# Altium PCB SAMA5D27-SOM1-MFG-03.PcbDoc (part 6 of 6)
Units mm, origin at the board's own origin, x right, y up, seen from the top; angles counter-clockwise.
Board outline 40.03 x 38.03 mm, 6 copper layers (TOP, GND, IN2, IN3, PWR, BOTTOM), stack 1.24 mm thick; 188 components, 224 nets, 901 pads, 644 vias.
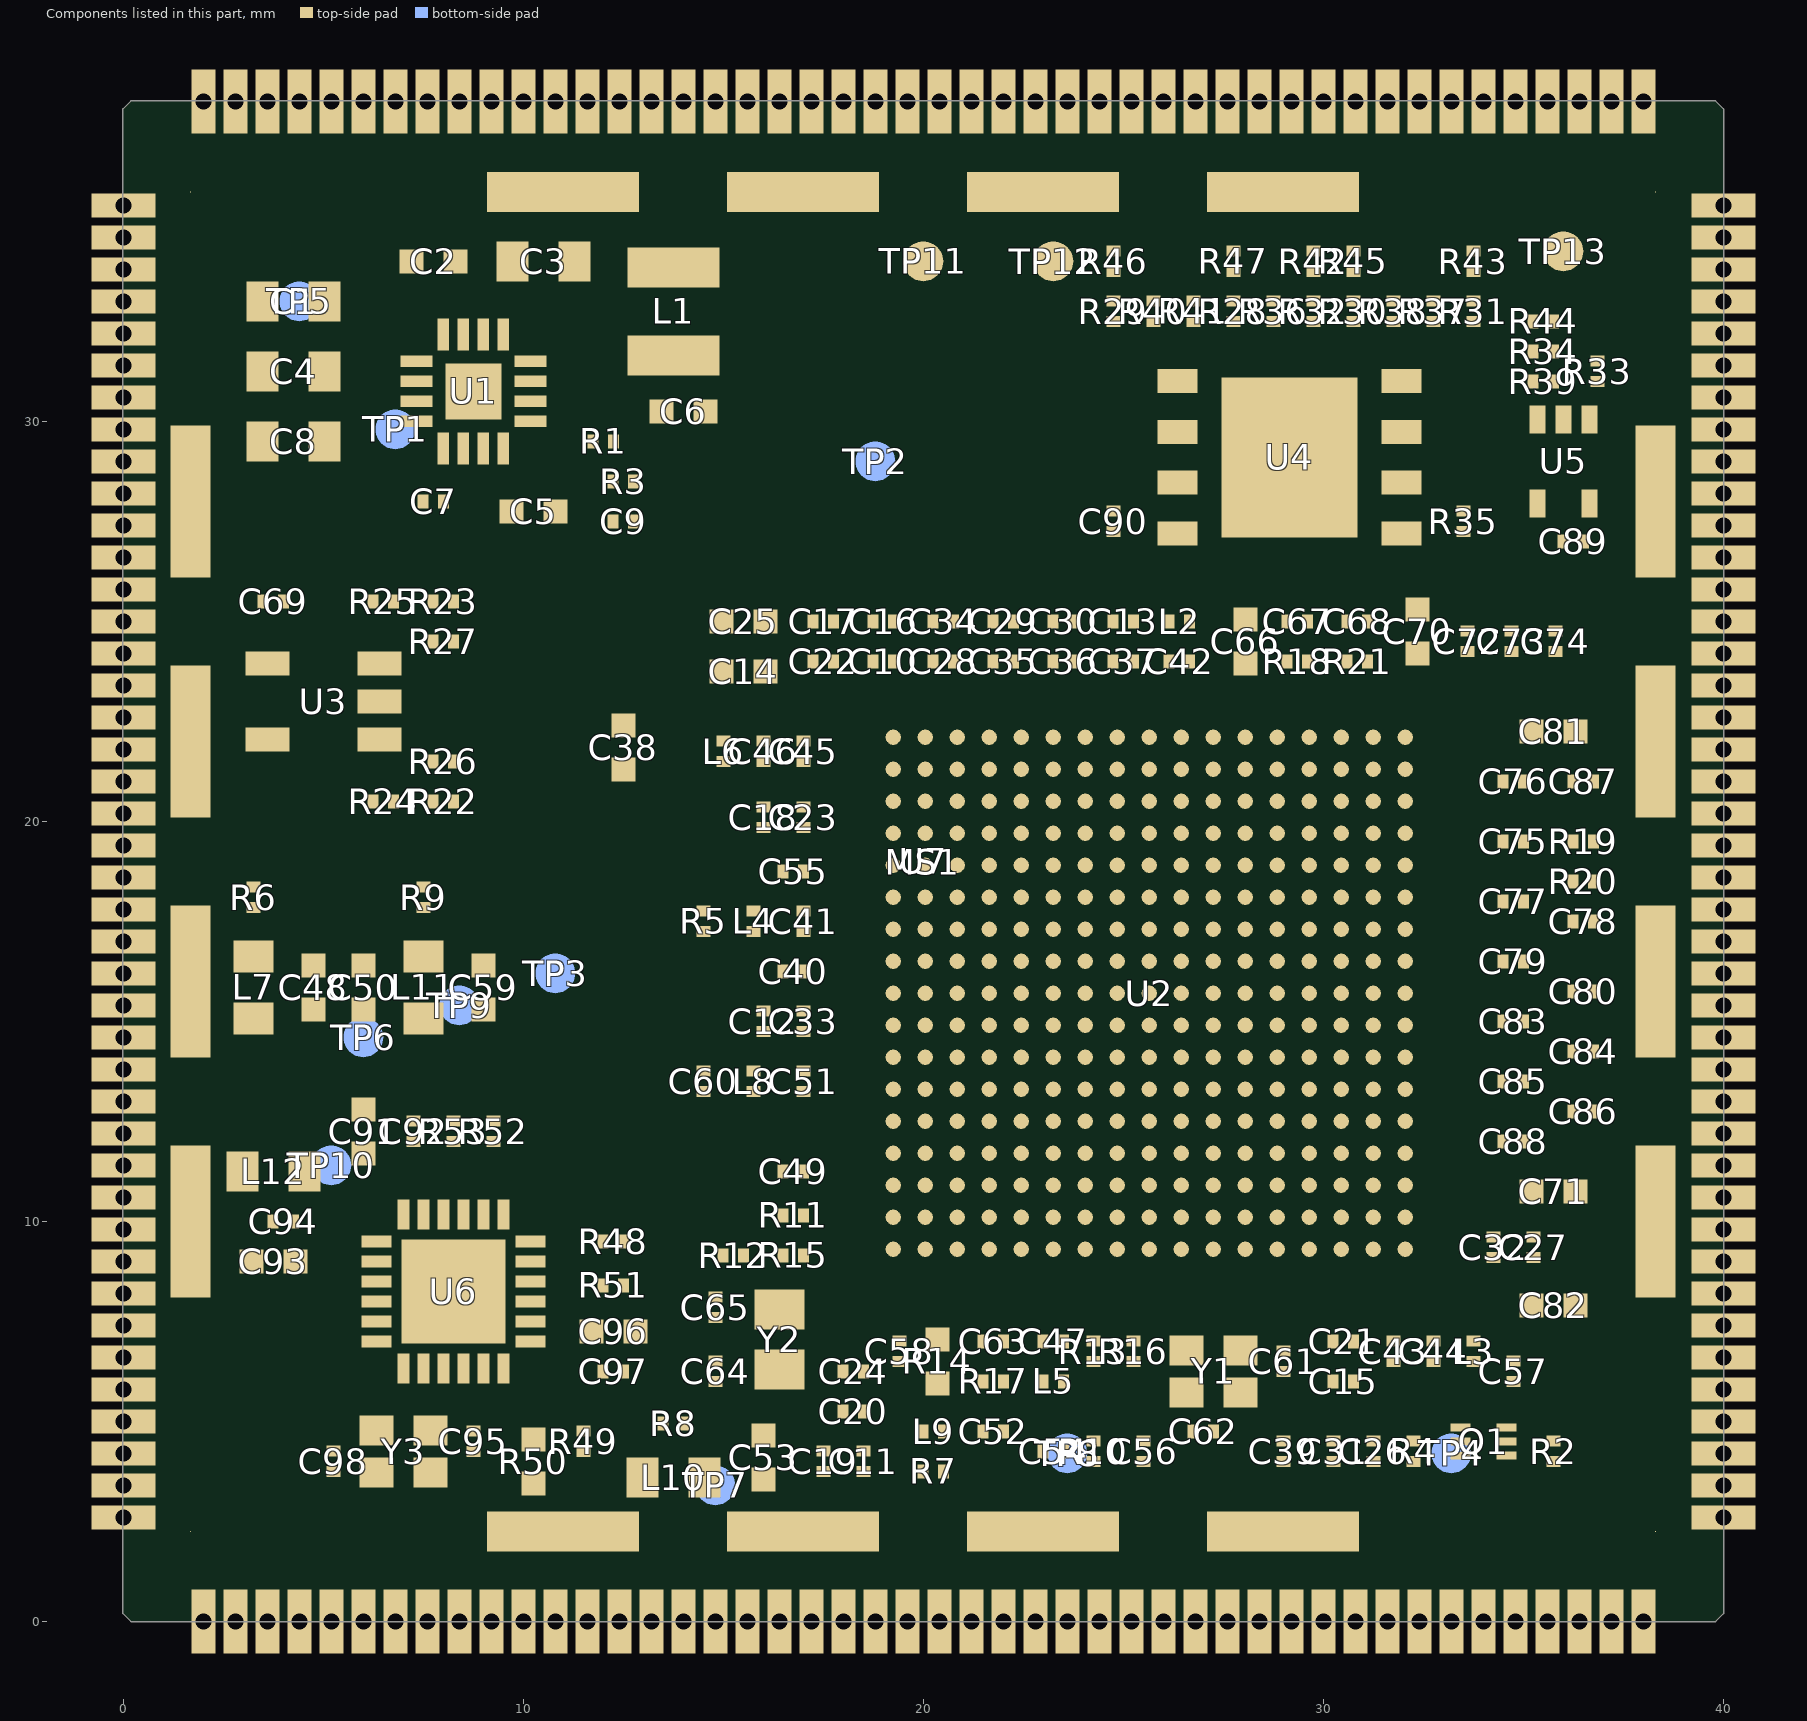
[diagram p10: the components of this part, seen from the top]

## Polygon pours and split planes (outlines as drawn) (continued)
PC18/ISI_D9/FLEXCOM3_IO2/A7 on BOTTOM "BOTTOM-PC18/ISI_D9/FLEXCOM3_IO2/A7" (solid, remove dead copper, pour order 2145): 35 vertices, not listed, extent 16.108,32.863 16.566,33.237
PC31/FLEXCOM4_IO3/URXD3/A20 on BOTTOM "BOTTOM-PC31/FLEXCOM4_IO3/URXD3/A20" (solid, remove dead copper, pour order 2125): 35 vertices, not listed, extent 27.463,22.484 27.837,22.942
PC16/ISI_D7/RK0/A5 on BOTTOM "BOTTOM-PC16/ISI_D7/RK0/A5" (solid, remove dead copper, pour order 2158): 35 vertices, not listed, extent 16.219,31.919 16.631,32.331
PC14/ISI_D5/TD0/A3 on BOTTOM "BOTTOM-PC14/ISI_D5/TD0/A3" (solid, remove dead copper, pour order 2139): 35 vertices, not listed, extent 18.808,26.363 19.266,26.737
PC25/ISI_FIELD/A14 on BOTTOM "BOTTOM-PC25/ISI_FIELD/A14" (solid, remove dead copper, pour order 2152): 35 vertices, not listed, extent 15.569,32.319 15.981,32.731
PC23/ISI_HSYNC/A12 on BOTTOM "BOTTOM-PC23/ISI_HSYNC/A12" (solid, remove dead copper, pour order 2130): 35 vertices, not listed, extent 15.458,33.263 15.916,33.637
GND on BOTTOM "BOTTOM-GND" (solid, remove dead copper, pour order 2199): 38 vertices, not listed, extent 5.415,32.915 10.717,36.2
GND on BOTTOM "BOTTOM-GND 1" (solid, remove dead copper, pour order 2218): 1219 vertices, not listed, extent 7.015,29.85 38.2,36.2
GND on BOTTOM "BOTTOM-GND 2" (solid, remove dead copper, pour order 2189): 72 vertices, not listed, extent 9.524,27.4 12.1,28.739
GND on BOTTOM "BOTTOM-GND 3" (solid, remove dead copper, pour order 2217): 1407 vertices, not listed, extent 1.8,26.215 38.2,36.2
GND on BOTTOM "BOTTOM-GND 4" (solid, remove dead copper, pour order 2195): 431 vertices, not listed, extent 20.701,21.525 23.392,24.275
GND on BOTTOM "BOTTOM-GND 5" (solid, remove dead copper, pour order 2184): 114 vertices, not listed, extent 36.424,20.15 38.2,21.185
GND on BOTTOM "BOTTOM-GND 6" (solid, remove dead copper, pour order 2210): 516 vertices, not listed, extent 29.525,19.993 38.2,24.335
GND on BOTTOM "BOTTOM-GND 7" (solid, remove dead copper, pour order 2177): 45 vertices, not listed, extent 37.236,19.415 38.2,19.985
GND on BOTTOM "BOTTOM-GND 8" (solid, remove dead copper, pour order 2204): 330 vertices, not listed, extent 27.475,19.125 29.871,24.335
GND on BOTTOM "BOTTOM-GND 9" (solid, remove dead copper, pour order 2219): 2794 vertices, not listed, extent 1.8,18.2 38.2,29.232
GND on BOTTOM "BOTTOM-GND 10" (solid, remove dead copper, pour order 2188): 162 vertices, not listed, extent 26.329,18.325 27.699,21.391
GND on BOTTOM "BOTTOM-GND 11" (solid, remove dead copper, pour order 2194): 233 vertices, not listed, extent 25.125,16.851 28.141,19.393
GND on BOTTOM "BOTTOM-GND 12" (solid, remove dead copper, pour order 2190): 93 vertices, not listed, extent 36.865,16.383 38.2,19.314
GND on BOTTOM "BOTTOM-GND 13" (solid, remove dead copper, pour order 2183): 66 vertices, not listed, extent 31.159,16.207 33.175,17.075
GND on BOTTOM "BOTTOM-GND 14" (solid, remove dead copper, pour order 2207): 475 vertices, not listed, extent 31.159,15.814 36.655,20.225
GND on BOTTOM "BOTTOM-GND 15" (solid, remove dead copper, pour order 2201): 287 vertices, not listed, extent 14.765,12.975 18.544,15.626
GND on BOTTOM "BOTTOM-GND 16" (solid, remove dead copper, pour order 2212): 1232 vertices, not listed, extent 28.265,12.725 36.485,21.185
GND on BOTTOM "BOTTOM-GND 17" (solid, remove dead copper, pour order 2182): 64 vertices, not listed, extent 13.515,12.183 14.335,14.311
GND on BOTTOM "BOTTOM-GND 18" (solid, remove dead copper, pour order 2178): 72 vertices, not listed, extent 37.065,9.697 37.535,13.124
GND on BOTTOM "BOTTOM-GND 19" (solid, remove dead copper, pour order 2216): 813 vertices, not listed, extent 1.8,7.415 17.478,23.442
GND on BOTTOM "BOTTOM-GND 20" (solid, remove dead copper, pour order 2200): 221 vertices, not listed, extent 12.715,5.383 14.885,10.821
GND on BOTTOM "BOTTOM-GND 21" (solid, remove dead copper, pour order 2211): 580 vertices, not listed, extent 33.657,5.215 38.2,13.832
GND on BOTTOM "BOTTOM-GND 22" (solid, remove dead copper, pour order 2214): 2871 vertices, not listed, extent 17.725,4.397 29.435,20.606
GND on BOTTOM "BOTTOM-GND 23" (solid, remove dead copper, pour order 2213): 627 vertices, not listed, extent 14.063,3.675 21.425,11.985
GND on BOTTOM "BOTTOM-GND 24" (solid, remove dead copper, pour order 2191): 301 vertices, not listed, extent 22.876,3.716 24.819,7.365
GND on BOTTOM "BOTTOM-GND 25" (solid, remove dead copper, pour order 2205): 523 vertices, not listed, extent 9.865,3.515 14.113,9.271
GND on BOTTOM "BOTTOM-GND 26" (solid, remove dead copper, pour order 2209): 530 vertices, not listed, extent 29.457,1.8 36.985,7.725
GND on BOTTOM "BOTTOM-GND 27" (solid, remove dead copper, pour order 2215): 232 vertices, not listed, extent 1.8,1.8 9.417,11.635
GND on BOTTOM "BOTTOM-GND 28" (solid, remove dead copper, pour order 2208): 325 vertices, not listed, extent 27.065,1.8 32.985,7.153
GND on BOTTOM "BOTTOM-GND 29" (solid, remove dead copper, pour order 2193): 86 vertices, not listed, extent 25.054,29.415 38.2,30.485
GND on BOTTOM "BOTTOM-GND 30" (solid, remove dead copper, pour order 2186): 63 vertices, not listed, extent 35.022,28.915 38.2,29.585
GND on BOTTOM "BOTTOM-GND 31" (solid, remove dead copper, pour order 2180): 65 vertices, not listed, extent 34.883,26.565 38.2,27.185
GND on BOTTOM "BOTTOM-GND 32" (solid, remove dead copper, pour order 2181): 68 vertices, not listed, extent 16.289,19.32 18.544,21.235
GND on BOTTOM "BOTTOM-GND 33" (solid, remove dead copper, pour order 2179): 77 vertices, not listed, extent 27.959,17.735 29.025,18.675
GND on BOTTOM "BOTTOM-GND 34" (solid, remove dead copper, pour order 2187): 73 vertices, not listed, extent 36.915,13.433 38.2,17.832
GND on BOTTOM "BOTTOM-GND 35" (solid, remove dead copper, pour order 2176): 112 vertices, not listed, extent 27.475,12.379 28.625,13.394
GND on BOTTOM "BOTTOM-GND 36" (solid, remove dead copper, pour order 2198): 111 vertices, not listed, extent 20.125,5.593 22.225,10.191
GND on BOTTOM "BOTTOM-GND 37" (solid, remove dead copper, pour order 2197): 180 vertices, not listed, extent 21.225,5.409 23.025,10.991
GND on BOTTOM "BOTTOM-GND 38" (solid, remove dead copper, pour order 2192): 238 vertices, not listed, extent 32.983,4.383 35.985,6.935
GND on BOTTOM "BOTTOM-GND 39" (solid, remove dead copper, pour order 2185): 35 vertices, not listed, extent 37.183,1.8 38.2,3.185
GND on BOTTOM "BOTTOM-GND 40" (solid, remove dead copper, pour order 2206): 120 vertices, not listed, extent 14.215,1.8 20.268,3.525
GND on BOTTOM "BOTTOM-GND 41" (solid, remove dead copper, pour order 2203): 128 vertices, not listed, extent 8.265,1.8 12.732,9.96
GND on BOTTOM "BOTTOM-GND 42" (solid, remove dead copper, pour order 2202): 77 vertices, not listed, extent 20.158,1.8 28.185,4.318
GND on BOTTOM "BOTTOM-GND 43" (solid, remove dead copper, pour order 2196): 68 vertices, not listed, extent 11.333,1.8 13.849,4.31
GMDIO_PD18 on BOTTOM "BOTTOM-GMDIO_PD18" (solid, remove dead copper, pour order 2135): 35 vertices, not listed, extent 12.313,5.384 12.687,5.842
GMDIO_PD18 on BOTTOM "BOTTOM-GMDIO_PD18 1" (solid, remove dead copper, pour order 2131): 35 vertices, not listed, extent 14.613,15.208 14.987,15.666
GRX1_PD14 on BOTTOM "BOTTOM-GRX1_PD14" (solid, remove dead copper, pour order 2149): 35 vertices, not listed, extent 10.144,6.244 10.556,6.656
GRX1_PD14 on BOTTOM "BOTTOM-GRX1_PD14 1" (solid, remove dead copper, pour order 2156): 35 vertices, not listed, extent 13.769,14.269 14.181,14.681
GTXEN_PD10 on BOTTOM "BOTTOM-GTXEN_PD10" (solid, remove dead copper, pour order 2124): 35 vertices, not listed, extent 9.713,11.184 10.087,11.642
GTXEN_PD10 on BOTTOM "BOTTOM-GTXEN_PD10 1" (solid, remove dead copper, pour order 2165): 35 vertices, not listed, extent 20.119,15.769 20.531,16.181
GTX0_PD15 on BOTTOM "BOTTOM-GTX0_PD15" (solid, remove dead copper, pour order 2171): 35 vertices, not listed, extent 12.619,14.819 13.031,15.231
GTX0_PD15 on BOTTOM "BOTTOM-GTX0_PD15 1" (solid, remove dead copper, pour order 2121): 35 vertices, not listed, extent 8.924,10.586 9.314,10.977
GTXCK_PD09 on BOTTOM "BOTTOM-GTXCK_PD09" (solid, remove dead copper, pour order 2127): 35 vertices, not listed, extent 10.713,8.484 11.087,8.942
GTXCK_PD09 on BOTTOM "BOTTOM-GTXCK_PD09 1" (solid, remove dead copper, pour order 2162): 35 vertices, not listed, extent 13.719,15.319 14.131,15.731
N557072 on BOTTOM "BOTTOM-N557072" (solid, remove dead copper, pour order 2168): 35 vertices, not listed, extent 23.919,5.169 24.331,5.581
N557072 on BOTTOM "BOTTOM-N557072 1" (solid, remove dead copper, pour order 2138): 35 vertices, not listed, extent 23.463,9.258 23.837,9.716
PB26/LCDDAT15/URXD0 on BOTTOM "BOTTOM-PB26/LCDDAT15/URXD0" (solid, remove dead copper, pour order 2134): 35 vertices, not listed, extent 9.134,19.163 9.592,19.537
PB26/LCDDAT15/URXD0 on BOTTOM "BOTTOM-PB26/LCDDAT15/URXD0 1" (solid, remove dead copper, pour order 2173): 35 vertices, not listed, extent 20.119,17.619 20.531,18.031
PB21/LCDDAT10/TF0/TCLK3/FLEXCOM on BOTTOM "BOTTOM-PB21/LCDDAT10/TF0/TCLK3/FLEXCOM" (solid, remove dead copper, pour order 2169): 35 vertices, not listed, extent 14.069,22.769 14.481,23.181
PB21/LCDDAT10/TF0/TCLK3/FLEXCOM on BOTTOM "BOTTOM-PB21/LCDDAT10/TF0/TCLK3/FLEXCOM 1" (solid, remove dead copper, pour order 2167): 35 vertices, not listed, extent 20.119,19.769 20.531,20.181
PA13/SDMMC0_CD/FLEXCOM3_IO1/D8 on BOTTOM "BOTTOM-PA13/SDMMC0_CD/FLEXCOM3_IO1/D8" (solid, remove dead copper, pour order 2166): 35 vertices, not listed, extent 31.569,10.969 31.981,11.381
PA12/SDMMC0_WP/IRQ/NRD/NANDOE on BOTTOM "BOTTOM-PA12/SDMMC0_WP/IRQ/NRD/NANDOE" (solid, remove dead copper, pour order 2147): 35 vertices, not listed, extent 37.084,4.813 37.542,5.187
PA11/SDMMC0_VDDSEL/TCLK4/A22/NA on BOTTOM "BOTTOM-PA11/SDMMC0_VDDSEL/TCLK4/A22/NA" (solid, remove dead copper, pour order 2153): 35 vertices, not listed, extent 30.519,10.969 30.931,11.381
PA10/SDMMC0_RSTN/TIOB4/FLEXCOM2 on BOTTOM "BOTTOM-PA10/SDMMC0_RSTN/TIOB4/FLEXCOM2" (solid, remove dead copper, pour order 2123): 35 vertices, not listed, extent 26.663,10.058 27.037,10.516
PA09/SDMMC0_DAT7/TIOA4/FLEXCOM2 on BOTTOM "BOTTOM-PA09/SDMMC0_DAT7/TIOA4/FLEXCOM2" (solid, remove dead copper, pour order 2144): 35 vertices, not listed, extent 25.534,7.363 25.992,7.737
PA08/SDMMC0_DAT6/TCLK5/FLEXCOM2 on BOTTOM "BOTTOM-PA08/SDMMC0_DAT6/TCLK5/FLEXCOM2" (solid, remove dead copper, pour order 2151): 35 vertices, not listed, extent 25.719,10.169 26.131,10.581
VDDCORE on PWR "PWR-VDDCORE" (solid, remove dead copper, pour order 2117): 5165 vertices, not listed, extent 4.75,3 32.5,28.75
VDDIN_3V3 on PWR "PWR-VDDIN_3V3" (solid, remove dead copper, pour order 2119): 2404 vertices, not listed, extent 1.1,1.1 38.9,36.9
VDDIODDR on PWR "PWR-VDDIODDR" (solid, remove dead copper, pour order 2118): 3345 vertices, not listed, extent 5,4.5 38.283,34.5
GND on GND "GND-GND" (solid, remove dead copper, pour order 1725): 1.1,1.1 1.1,36.9 38.9,36.9 38.9,1.1 1.1,1.1
no net on PERCAGE (solid, remove dead copper, pour order 2226): 99.77,-96.98 99.77,-100.14 101.298,-101.668 101.43,-101.536 101.43,-98.64 99.77,-96.98
no net on PERCAGE (solid, remove dead copper, pour order 2223): 102.57,-100.042 102.57,-102.94 104.098,-104.468 104.23,-104.336 104.23,-101.44 102.701,-99.911 102.57,-100.042
no net on PERCAGE (solid, remove dead copper, pour order 2222): 105.38,-102.832 105.38,-105.75 106.898,-107.268 107.04,-107.126 107.04,-104.25 105.501,-102.711 105.38,-102.832
no net on PERCAGE (solid, remove dead copper, pour order 2225): 99.77,-96.98 99.77,-100.14 101.298,-101.668 101.43,-101.536 101.43,-98.64 99.77,-96.98
no net on PERCAGE (solid, remove dead copper, pour order 2224): 102.57,-100.042 102.57,-102.94 104.098,-104.468 104.23,-104.336 104.23,-101.44 102.701,-99.911 102.57,-100.042
no net on PERCAGE (solid, remove dead copper, pour order 2221): 105.38,-102.832 105.38,-105.75 106.898,-107.268 107.04,-107.126 107.04,-104.25 105.501,-102.711 105.38,-102.832
no net on EMPILAGE (solid, remove dead copper, pour order 2231): 90.8,46.15 90.8,47.15 95.8,47.15 95.8,46.15 90.8,46.15
no net on EMPILAGE (solid, remove dead copper, pour order 2236): 90.8,39.15 90.8,38.15 95.8,38.15 95.8,39.15 90.8,39.15
no net on EMPILAGE (solid, remove dead copper, pour order 2228): 90.8,13.15 90.8,12.15 95.8,12.15 95.8,13.15 90.8,13.15
no net on EMPILAGE (solid, remove dead copper, pour order 2230): 90.8,35.15 90.8,36.15 95.8,36.15 95.8,35.15 90.8,35.15
no net on EMPILAGE (solid, remove dead copper, pour order 2232): 90.8,9.15 90.8,10.15 95.8,10.15 95.8,9.15 90.8,9.15
no net on EMPILAGE (solid, remove dead copper, pour order 2233): 90.8,2.15 90.8,1.15 95.8,1.15 95.8,2.15 90.8,2.15
no net on EMPILAGE (solid, remove dead copper, pour order 2234): 90.8,46.15 90.8,47.15 95.8,47.15 95.8,46.15 90.8,46.15
no net on EMPILAGE (solid, remove dead copper, pour order 2238): 90.8,39.15 90.8,38.15 95.8,38.15 95.8,39.15 90.8,39.15
no net on EMPILAGE (solid, remove dead copper, pour order 2229): 90.8,13.15 90.8,12.15 95.8,12.15 95.8,13.15 90.8,13.15
no net on EMPILAGE (solid, remove dead copper, pour order 2227): 90.8,35.15 90.8,36.15 95.8,36.15 95.8,35.15 90.8,35.15
no net on EMPILAGE (solid, remove dead copper, pour order 2235): 90.8,9.15 90.8,10.15 95.8,10.15 95.8,9.15 90.8,9.15
no net on EMPILAGE (solid, remove dead copper, pour order 2237): 90.8,2.15 90.8,1.15 95.8,1.15 95.8,2.15 90.8,2.15

## Other copper
TOP:
  region net GND: 1.175,1.75 6.895,1.75 6.895,2.75 2.175,2.75 2.175,5.89 1.175,5.89 1.175,1.75
  region net GND: 33.095,1.75 38.805,1.75 38.805,5.89 37.805,5.89 37.805,2.75 33.095,2.75 33.095,1.75
  region net GND: 6.885,36.23 1.175,36.23 1.175,32.09 2.175,32.09 2.175,35.23 6.885,35.23 6.885,36.23
  region net GND: 38.805,36.23 33.085,36.23 33.085,35.23 37.805,35.23 37.805,32.09 38.805,32.09 38.805,36.23

## Silkscreen, mask and mechanical layers (free items; w line width, h text height)
Top Overlay:
  drawing of 5662 lines, arcs and shapes, not listed
  text "U1" at 10.87,31.856 h0.79
  text "U5" at 34.014,29.25 h0.79 r90
  text "SAMA5D27-SOM1" at 15.058,26.107 h0.79
  text "U4" at 28.62,25.606 h0.79
  text "U2" at 32.62,22.25 h0.79
  text "U3" at 3.12,20.356 h0.79
  text "Y1" at 26.62,7.357 h0.79
  text "Y2" at 17.37,7.107 h0.79
  text "U6" at 4.37,6.856 h0.79
  text "Y3" at 4.12,5 h0.79
  text "Q1" at 33.17,3.006 h0.79
Top Paste:
  pour cut-out: 1.175,1.75 6.895,1.75 6.895,2.75 2.175,2.75 2.175,5.89 1.175,5.89 1.175,1.75
  pour cut-out: 33.095,1.75 38.805,1.75 38.805,5.89 37.805,5.89 37.805,2.75 33.095,2.75 33.095,1.75
  pour cut-out: 6.885,36.23 1.175,36.23 1.175,32.09 2.175,32.09 2.175,35.23 6.885,35.23 6.885,36.23
  pour cut-out: 38.805,36.23 33.085,36.23 33.085,35.23 37.805,35.23 37.805,32.09 38.805,32.09 38.805,36.23
Top Solder:
  pour cut-out: 1.125,1.7 6.945,1.7 6.945,2.8 2.225,2.8 2.225,5.94 1.125,5.94 1.125,1.7
  pour cut-out: 33.045,1.7 38.855,1.7 38.855,5.94 37.755,5.94 37.755,2.8 33.045,2.8 33.045,1.7
  pour cut-out: 6.935,36.28 1.125,36.28 1.125,32.04 2.225,32.04 2.225,35.18 6.935,35.18 6.935,36.28
  pour cut-out: 38.855,36.28 33.035,36.28 33.035,35.18 37.755,35.18 37.755,32.04 38.855,32.04 38.855,36.28
  lines w0.8: 0,0.2 0.2,0 39.8,0 40,0.2 40,37.8 39.8,38 0.2,38 0,37.8 0,0.2
Bottom Solder:
  lines w0.8: 0,0.2 0.2,0 39.8,0 40,0.2 40,37.8 39.8,38 0.2,38 0,37.8 0,0.2
NCLEGEND-1-6:
  lines w0.025: -26.55,-73.05 96.26,-73.05 ; -26.55,-66.7 96.26,-66.7 ; -26.55,-60.35 96.26,-60.35 ; -26.55,-54 96.26,-54 ; -3.72,-79.4 -3.72,-60.35 ; 44.302,-79.4 44.302,-60.35 ; 76.579,-79.4 76.579,-60.35 ; -26.55,-79.4 96.26,-79.4 96.26,-47.5 -26.55,-47.5 -26.55,-79.4 ; -15.635,-69.875 -15.385,-69.375 -14.885,-69.375 -14.635,-69.875 -14.885,-70.375 -15.385,-70.375 -15.635,-69.875 ; -15.26,-76.35 -15.26,-76.1 -15.01,-76.1 -15.01,-76.35 -15.26,-76.35
  text "DRILL CHART: TOP to BOTTOM" at 1.835,-52.262 h3.17
  text "ALL UNITS ARE IN MILLIMETERS" at -0.705,-58.763 h3.17
  text "FIGURE" at -22.755,-65.113 h3.17
  text "SIZE" at 15.211,-65.113 h3.17
  text "PLATED" at 52.82,-65.113 h3.17
  text "QTY" at 82.609,-65.113 h3.17
  text "0.2" at 16.481,-71.463 h3.17
  text "PLATED" at 52.82,-71.463 h3.17
  text "644" at 82.609,-71.463 h3.17
  text "0.4" at 16.481,-77.813 h3.17
  text "PLATED" at 52.82,-77.813 h3.17
  text "176" at 82.609,-77.813 h3.17
ASSEMBLY_NOTES:
  lines w0.025: 12.5,11.5 27.5,11.5 27.5,26.5 12.5,26.5 12.5,11.5
TOOLING_CORNERS:
  circle w0.25: c-10,-10 r2.54
  circle w0.25: c-10,-10 r3.81
  circle w0.25: c-10,48 r2.54
  circle w0.25: c-10,48 r3.81
  circle w0.25: c50,48 r2.54
  circle w0.25: c50,48 r3.81
  circle w0.25: c-10,-10 r2.54
  circle w0.25: c-10,-10 r3.81
  circle w0.25: c-10,48 r2.54
  circle w0.25: c-10,48 r3.81
  circle w0.25: c50,48 r2.54
  circle w0.25: c50,48 r3.81
  lines w0.25: -10,0 0,0 0,-10 ; -10,38 0,38 0,48 ; 40,-10 40,0 50,0 ; 40,48 40,38 50,38 ; -2.838,-43.905 43.162,-43.905 ; -2.838,-43.905 -2.838,-39.905 ; -2.838,-43.905 43.162,-43.905 ; -2.838,-43.905 -2.838,-39.905 ; -2.838,-39.905 43.162,-39.905 ; -2.838,-39.905 -2.838,-35.905 -2.838,-39.905 ; -2.838,-39.905 43.162,-39.905 ; -2.838,-39.895 -2.838,-35.895 ; -2.838,-39.895 43.162,-39.895 ; -2.838,-39.895 -2.838,-35.895 ; -2.838,-39.895 43.162,-39.895 ; -2.838,-35.895 -2.838,-31.895 ; -2.838,-35.895 43.162,-35.895 ; -2.838,-35.895 -2.838,-31.895 ; -2.838,-35.895 43.162,-35.895 ; -2.838,-31.895 43.162,-31.895 ; -2.838,-31.895 -2.838,-23.895 ; -2.838,-31.895 43.162,-31.895 ; -2.838,-31.895 -2.838,-23.895 ; -2.838,-23.895 43.162,-23.895 ; -2.838,-23.895 43.162,-23.895 ; 3.962,-26.295 4.363,-26.695 ; 3.962,-26.295 3.962,-25.495 ; 3.962,-26.295 4.363,-26.695 ; 3.962,-26.295 3.962,-25.495 ; 3.962,-25.495 4.363,-25.895 ; 3.962,-25.495 4.363,-25.895 ; 4.363,-26.695 4.363,-25.895 ; 4.363,-26.695 4.363,-25.895 ; 4.663,-27.095 5.062,-27.495 ; 4.663,-27.095 4.663,-26.295 ; 4.663,-27.095 5.062,-27.495 ; 4.663,-27.095 4.663,-26.295 ; 4.663,-26.295 5.062,-26.695 ; 4.663,-26.295 5.062,-26.695 ; 5.062,-27.495 5.062,-26.695 ; 5.062,-27.495 5.062,-26.695 ; 5.362,-27.895 5.763,-28.295 ; 5.362,-27.895 5.362,-27.095 ; 5.362,-27.895 5.763,-28.295 ; 5.362,-27.895 5.362,-27.095 ; 5.362,-27.095 5.763,-27.495 ; 5.362,-27.095 5.763,-27.495 ; 5.763,-28.295 5.763,-27.495 ; 5.763,-28.295 5.763,-27.495 ; 43.162,-43.905 43.162,-39.905 ; 43.162,-43.905 43.162,-39.905 ; 43.162,-39.905 43.162,-35.905 43.162,-39.905 ; 43.162,-39.895 43.162,-35.895 ; 43.162,-39.895 43.162,-35.895 ; 43.162,-35.895 43.162,-31.895 ; 43.162,-35.895 43.162,-31.895 ; 43.162,-31.895 43.162,-23.895 ; 43.162,-31.895 43.162,-23.895 ; -16.35,-10 -3.65,-10 -16.35,-10 ; -16.35,48 -3.65,48 -16.35,48 ; -10,-16.35 -10,-3.65 -10,-16.35 ; -10,41.65 -10,54.35 -10,41.65 ; 4.363,-26.595 5.963,-24.995 4.363,-26.595 ; 4.363,-26.395 5.963,-24.795 4.363,-26.395 ; 4.363,-26.195 5.963,-24.595 4.363,-26.195 ; 4.363,-25.995 5.963,-24.395 4.363,-25.995 ; 5.062,-27.395 6.662,-25.795 5.062,-27.395 ; 5.062,-27.195 6.662,-25.595 5.062,-27.195 ; 5.062,-26.995 6.662,-25.395 5.062,-26.995 ; 5.062,-26.795 6.662,-25.195 5.062,-26.795 ; 5.763,-28.195 7.362,-26.595 5.763,-28.195 ; 5.763,-27.995 7.362,-26.395 5.763,-27.995 ; 5.763,-27.795 7.362,-26.195 5.763,-27.795 ; 5.763,-27.595 7.362,-25.995 5.763,-27.595 ; 14.162,-31.895 14.162,-23.895 14.162,-31.895 ; 14.162,-27.895 43.162,-27.895 14.162,-27.895 ; 29.412,-43.855 29.412,-39.925 29.412,-43.855 ; 29.422,-35.885 29.422,-31.955 29.422,-35.885 ; 43.65,48 56.35,48 43.65,48 ; 50,41.65 50,54.35 50,41.65
  text "CLIENT" at 23.862,-26.895 h2
  text "CLIENT" at 23.862,-26.895 h2
  text "Date: 08/02/2018" at 19.063,-30.645 h1.5
  text "Date: 08/02/2018" at 19.063,-30.645 h1.5
  text "STUDELEC" at -0.838,-30.895 h2
  text "STUDELEC" at -0.838,-30.895 h2
  text "SAMA5D27-SOM1" at 2.882,-35.035 h2
  text "SAMA5D27-SOM1" at 2.882,-35.035 h2
  text "REV A3" at 31.472,-35.185 h2
  text "REV A3" at 31.472,-35.185 h2
PERCAGE:
  drawing of 370 lines, arcs and shapes, not listed
  text "CLASSE DE GRAVURE SUIVANT NORME NF C 93-713" at 164.6,29 h1.57
  text "CLASSE DE GRAVURE SUIVANT NORME NF C 93-713" at 164.6,29 h1.57
  text "TOLERANCES DE PERCAGE SUIVANT NORME NF C 93-713" at 164.6,24 h1.57
  text "TOLERANCES DE PERCAGE SUIVANT NORME NF C 93-713" at 164.6,24 h1.57
  text "CLASSE:" at 164.6,14 h1.57
  text "CLASSE:" at 164.6,14 h1.57
  text "HC" at 214.6,14 h1.57
  text "HC" at 214.6,14 h1.57
  text "NOMBRES DE COUCHES:" at 164.6,9 h1.57
  text "NOMBRES DE COUCHES:" at 164.6,9 h1.57
  text "6" at 214.6,9 h1.57
  text "6" at 214.6,9 h1.57
  text "MATIERE:" at 164.6,4 h1.57
  text "MATIERE:" at 164.6,4 h1.57
  text "FR4 TG 170" at 214.6,4 h1.57
  text "FR4 TG 170" at 214.6,4 h1.57
  text "FINITION NiAu CHIMIQUE" at 164.6,-6 h1.57
  text "FINITION NiAu CHIMIQUE" at 164.6,-6 h1.57
  text "OUI" at 214.51,-6 h1.57
  text "OUI" at 214.51,-6 h1.57
  text "NON" at 229.51,-6 h1.57
  text "NON" at 229.51,-6 h1.57
  text "FINITION Sn100c" at 164.6,-11 h1.57
  text "FINITION Sn100c" at 164.6,-11 h1.57
  text "OUI" at 214.51,-11 h1.57
  text "OUI" at 214.51,-11 h1.57
  text "NON" at 229.51,-11 h1.57
  text "NON" at 229.51,-11 h1.57
  text "DORURE CONNECTEUR" at 164.6,-16 h1.57
  text "DORURE CONNECTEUR" at 164.6,-16 h1.57
  text "OUI" at 214.51,-16 h1.57
  text "OUI" at 214.51,-16 h1.57
  text "NON" at 229.51,-16 h1.57
  text "NON" at 229.51,-16 h1.57
  text "NOMBRE DE DOIGTS:" at 164.6,-21 h1.57
  text "NOMBRE DE DOIGTS:" at 164.6,-21 h1.57
  text "XXu" at 214.6,-21 h1.57
  text "XXu" at 214.6,-21 h1.57
  text "REBOUCHAGE DES VIAS" at 164.6,-26 h1.57
  text "REBOUCHAGE DES VIAS" at 164.6,-26 h1.57
  text "OUI" at 214.51,-26 h1.57
  text "OUI" at 214.51,-26 h1.57
  text "NON" at 229.51,-26 h1.57
  text "NON" at 229.51,-26 h1.57
  text "CONFORME UL94V0" at 164.6,-36 h1.57
  text "CONFORME UL94V0" at 164.6,-36 h1.57
  text "OUI" at 214.51,-36 h1.57
  text "OUI" at 214.51,-36 h1.57
  text "NON" at 229.51,-36 h1.57
  text "NON" at 229.51,-36 h1.57
  text "HALOGEN FREE" at 164.6,-41 h1.57
  text "HALOGEN FREE" at 164.6,-41 h1.57
  text "OUI" at 214.51,-41 h1.57
  text "OUI" at 214.51,-41 h1.57
  text "NON" at 229.51,-41 h1.57
  text "NON" at 229.51,-41 h1.57
  text "VERNIS EPARGNE FACE ELEMENTS" at 164.6,-51 h1.57
  text "VERNIS EPARGNE FACE ELEMENTS" at 164.6,-51 h1.57
  text "OUI" at 214.51,-51 h1.57
  text "OUI" at 214.51,-51 h1.57
  text "NON" at 229.51,-51 h1.57
  text "NON" at 229.51,-51 h1.57
  text "VERT" at 244.6,-51 h1.57
  text "VERT" at 244.6,-51 h1.57
  text "VERNIS EPARGNE FACE SOUDURES" at 164.6,-56 h1.57
  text "VERNIS EPARGNE FACE SOUDURES" at 164.6,-56 h1.57
  text "OUI" at 214.51,-56 h1.57
  text "OUI" at 214.51,-56 h1.57
  text "NON" at 229.51,-56 h1.57
  text "NON" at 229.51,-56 h1.57
  text "VERT" at 244.6,-56 h1.57
  text "VERT" at 244.6,-56 h1.57
  text "SERIGRAPHIE FACE ELEMENTS" at 164.6,-66 h1.57
  text "SERIGRAPHIE FACE ELEMENTS" at 164.6,-66 h1.57
  text "OUI" at 214.51,-66 h1.57
  text "OUI" at 214.51,-66 h1.57
  text "NON" at 229.51,-66 h1.57
  text "NON" at 229.51,-66 h1.57
  text "BLANCHE" at 244.6,-66 h1.57
  text "BLANCHE" at 244.6,-66 h1.57
  text "SERIGRAPHIE FACE SOUDURES" at 164.6,-71 h1.57
  text "SERIGRAPHIE FACE SOUDURES" at 164.6,-71 h1.57
  text "OUI" at 214.51,-71 h1.57
  text "OUI" at 214.51,-71 h1.57
  text "NON" at 229.51,-71 h1.57
  text "NON" at 229.51,-71 h1.57
  text "BLANCHE" at 244.6,-71 h1.57
  text "BLANCHE" at 244.6,-71 h1.57
  text "A3" at 164.628,-96.987 h1.57
  text "08/02/18" at 170.604,-96.975 h1.57
  text "VERNISSAGE DES VIAS EN BOTTOM" at 192.369,-97.037 h1.57
  text "THR" at 249.991,-97.037 h1.57
  text "STUDELEC" at 120.69,-99.869 h3.81
  text "STUDELEC" at 120.69,-99.869 h3.81
  text "A2" at 164.801,-101.334 h1.57
  text "09/08/17" at 170.774,-101.374 h1.57
  text "MD" at 250.194,-101.534 h1.57
  text "CHANGEMENT DES VIA SOUS U1 ET U6" at 188.686,-101.554 h1.57
  text "Bureau d Etudes Industriel" at 121.551,-102.662 h1.27
  text "Bureau d Etudes Industriel" at 121.551,-102.662 h1.27
  text "Integrateur Systemes" at 125.025,-104.807 h1.27
  text "Integrateur Systemes" at 125.025,-104.807 h1.27
  text "A1" at 164.801,-105.794 h1.57
  text "10/05/17" at 170.774,-105.834 h1.57
  text "MD" at 250.194,-105.994 h1.57
  text "MISE A JOUR STACK UP" at 198.686,-106.014 h1.57
  text "19,Rue Paulin Talabot" at 119.76,-109.759 h1.57
  text "19,Rue Paulin Talabot" at 119.76,-109.759 h1.57
  text "A" at 164.801,-110.794 h1.57
  text "A" at 164.801,-110.794 h1.57
  text "01/02/17" at 170.774,-110.834 h1.57
  text "01/02/17" at 170.774,-110.834 h1.57
  text "MD" at 250.194,-110.994 h1.57
  text "MD" at 250.194,-110.994 h1.57
  text "CREATION" at 208.686,-111.014 h1.57
  text "CREATION" at 208.686,-111.014 h1.57
  text "31100 TOULOUSE" at 118.43,-114.279 h2.54
  text "31100 TOULOUSE" at 118.43,-114.279 h2.54
  text "REV" at 163.321,-114.894 h1.57
  text "REV" at 163.321,-114.894 h1.57
  text "DATE" at 173.794,-114.934 h1.57
  text "DATE" at 173.794,-114.934 h1.57
  text "VISA" at 249.354,-115.094 h1.57
  text "VISA" at 249.354,-115.094 h1.57
  text "MODIF" at 211.506,-115.174 h1.57
  text "MODIF" at 211.506,-115.174 h1.57
  text "CLIENT:" at 90.302,-120.576 h2.54
  text "CLIENT:" at 90.302,-120.576 h2.54
  text "MICROCHIP" at 120.302,-120.576 h2.54
  text "MICROCHIP" at 120.302,-120.576 h2.54
  text "PROJET:" at 90.202,-127.216 h2.54
  text "PROJET:" at 90.202,-127.216 h2.54
  text "SAMA5D27-SOM1" at 120.302,-127.216 h2.54
  text "SAMA5D27-SOM1" at 120.302,-127.216 h2.54
  text "P/N:" at 169.589,-132.696 h2.54
  text "P/N:" at 169.589,-132.696 h2.54
  text "23842-SAMA5-HW-BTS-03" at 184.589,-132.696 h2.54
  text "23842-SAMA5-HW-BTS-03" at 184.589,-132.696 h2.54
  text "DOCUMENT:" at 90.252,-133.016 h2.54
  text "DOCUMENT:" at 90.252,-133.016 h2.54
  text "PLAN DE PERCAGE" at 120.302,-133.016 h2.54
  text "PLAN DE PERCAGE" at 120.302,-133.016 h2.54
  text "FORMAT:" at 177.411,-136.594 h1.57
  text "FORMAT:" at 177.411,-136.594 h1.57
  text "ECHELLE:" at 119.04,-136.629 h1.57
  text "ECHELLE:" at 119.04,-136.629 h1.57
  text "TOLERANCES" at 143.46,-136.629 h1.57
  text "TOLERANCES" at 143.46,-136.629 h1.57
  text "1/1" at 133.1,-136.689 h1.57
  text "1/1" at 133.1,-136.689 h1.57
  text "N AFFAIRE:" at 200.369,-136.674 h1.57
  text "N AFFAIRE:" at 200.369,-136.674 h1.57
  text "PAGE:" at 226.746,-138.474 h1.57
  text "PAGE:" at 226.746,-138.474 h1.57
  text "1/1" at 241.746,-138.474 h1.57
  text "1/1" at 241.746,-138.474 h1.57
  text "A4" at 181.8,-139.489 h1.57
  text "A4" at 181.8,-139.489 h1.57
  text "23842" at 200.369,-139.489 h1.57
  text "23842" at 200.369,-139.489 h1.57
  text "GENERALES:" at 143.539,-139.732 h1.57
  text "GENERALES:" at 143.539,-139.732 h1.57
  text "0.2mm" at 164.222,-139.732 h1.57
  text "0.2mm" at 164.222,-139.732 h1.57
  text "UNITE:" at 119.119,-140.114 h1.57
  text "UNITE:" at 119.119,-140.114 h1.57
  text "mm" at 134.119,-140.114 h1.57
  text "mm" at 134.119,-140.114 h1.57
  text "CE PLAN EST LA PROPRIETE DE STUDELEC ET NE PEUT ETRE COMMUNIQUE ET/OU REPRODUIT SANS SON AUTORISATION" at 90.348,-142.994 h1.57
  text "CE PLAN EST LA PROPRIETE DE STUDELEC ET NE PEUT ETRE COMMUNIQUE ET/OU REPRODUIT SANS SON AUTORISATION" at 90.348,-142.994 h1.57
EMPILAGE:
  drawing of 194 lines, arcs and shapes, not listed
  text "EPAISSEUR (THICKNESS SUTRATE / cu): 1.2mm" at 80.8,52.65 h2
  text "EPAISSEUR (THICKNESS SUTRATE / cu): 1.2mm" at 80.8,52.65 h2
  text "cu FACE 1 (EXTERNE) 35u+30u" at 108.8,48.15 h2
  text "cu FACE 1 (EXTERNE) 35u+30u" at 108.8,48.15 h2
  text "PREG 3313 90u" at 108.8,44.15 h2
  text "PREG 3313 90u" at 108.8,44.15 h2
  text "cu FACE 2 (INTERNE) 35u" at 108.8,40.15 h2
  text "cu FACE 2 (INTERNE) 35u" at 108.8,40.15 h2
  text "CORE 180u" at 108.8,36.15 h2
  text "CORE 180u" at 108.8,36.15 h2
  text "cu FACE 3 (INTERNE) 35u" at 108.8,29.65 h2
  text "cu FACE 3 (INTERNE) 35u" at 108.8,29.65 h2
  text "PREG 2116 115u" at 108.8,26.55 h2
  text "CORE 210u" at 108.8,23.15 h2
  text "CORE 210u" at 108.8,23.15 h2
  text "PREG 2116 115u" at 108.8,19.75 h2
  text "cu FACE 4 (INTERNE) 35u" at 108.8,16.65 h2
  text "cu FACE 4 (INTERNE) 35u" at 108.8,16.65 h2
  text "CORE 180u" at 108.8,10.15 h2
  text "CORE 180u" at 108.8,10.15 h2
  text "cu FACE 5 (INTERNE) 35u" at 108.8,6.15 h2
  text "cu FACE 5 (INTERNE) 35u" at 108.8,6.15 h2
  text "PREG 3313 90u" at 108.8,2.15 h2
  text "PREG 3313 90u" at 108.8,2.15 h2
  text "cu FACE 6 (EXTERNE) 35u+30u" at 108.8,-1.85 h2
  text "cu FACE 6 (EXTERNE) 35u+30u" at 108.8,-1.85 h2
  text "NOTA 1: FABRICATION SUIVANT NORME IPC A600" at 65,-20 h2
  text "NOTA 2: UTILISER LA MATIERE SHENG YI S1000-2 TG170 OU EQUIVALENT" at 65,-25 h2
DESIGN_OUTLINE:
  pour cut-out: 0.2,0 0,0.2 0,37.8 0.2,38 39.8,38 40,37.8 40,0.2 39.8,0 0.2,0
DRAWING_ORIGIN:
  lines w0.025: -0.635,0 0.635,0 ; 0,-0.635 0,0.635
DIMENSION:
  circle w0.025: c-14.154,0.048 r0.508
  circle w0.025: c59.846,0.048 r0.508
  circle w0.025: c63.096,45.298 r0.508
  circle w0.025: c-8.904,45.298 r0.508
  circle w0.025: c-14.154,0.048 r0.508
  circle w0.025: c59.846,0.048 r0.508
  circle w0.025: c63.096,45.298 r0.508
  circle w0.025: c-8.904,45.298 r0.508
  lines w0.025: -7.975,4 -7.35,0 ; -7.975,4 -6.725,4 ; -7.975,4 -7.35,0 ; -7.975,4 -6.725,4 ; -7.975,34 -7.35,38 ; -7.975,34 -6.725,34 ; -7.975,34 -7.35,38 ; -7.975,34 -6.725,34 ; -7.35,0 -6.725,4 ; -7.35,0 -7.35,20.15 ; -7.35,0 -6.725,4 ; -7.35,0 -7.35,20.15 ; -7.35,20.15 -7.35,38 ; -7.35,20.15 -7.35,38 ; -7.35,38 -6.725,34 ; -7.35,38 -6.725,34 ; -4.25,42.25 0.101,37.901 ; -4.25,42.25 -23.128,42.25 -4.25,42.25 ; -4.25,42.25 0.101,37.901 ; -3.17,40.287 0.101,37.901 ; -3.17,40.287 -2.286,41.171 ; -3.17,40.287 0.101,37.901 ; -3.17,40.287 -2.286,41.171 ; -2.814,-2.711 0.083,0.117 ; -2.814,-2.711 -1.814,-3.46 ; -2.814,-2.711 0.083,0.117 ; -2.814,-2.711 -1.814,-3.46 ; -2.286,41.171 0.101,37.901 ; -2.286,41.171 0.101,37.901 ; -2.25,-3 0.083,0.117 ; -2.25,-3 -28.378,-3 -2.25,-3 ; -2.25,-3 0.083,0.117 ; -1.814,-3.46 0.083,0.117 ; -1.814,-3.46 0.083,0.117 ; 0,45.25 4,45.875 ; 0,45.25 4,44.625 ; 0,45.25 19.2,45.25 ; 0,45.25 4,45.875 ; 0,45.25 4,44.625 ; 0,45.25 19.2,45.25 ; 4,44.625 4,45.875 ; 4,44.625 4,45.875 ; 19.2,45.25 40,45.25 ; 19.2,45.25 40,45.25 ; 36,44.625 40,45.25 ; 36,44.625 36,45.875 ; 36,44.625 40,45.25 ; 36,44.625 36,45.875 ; 36,45.875 40,45.25 ; 36,45.875 40,45.25 ; 39.896,37.904 44.25,42.25 ; 39.896,37.904 42.285,41.172 ; 39.896,37.904 43.168,40.287 ; 39.896,37.904 44.25,42.25 ; 39.896,37.904 42.285,41.172 ; 39.896,37.904 43.168,40.287 ; 39.903,0.103 43,-3 ; 39.903,0.103 43.171,-2.287 ; 39.903,0.103 42.286,-3.17 ; 39.903,0.103 43,-3 ; 39.903,0.103 43.171,-2.287 ; 39.903,0.103 42.286,-3.17 ; 42.285,41.172 43.168,40.287 ; 42.285,41.172 43.168,40.287 ; 42.286,-3.17 43.171,-2.287 ; 42.286,-3.17 43.171,-2.287 ; 43,-3 61.878,-3 43,-3 ; 44.25,42.25 65.128,42.25 44.25,42.25 ; -9.85,0 -2.3,0 -9.85,0 ; -9.85,38 -2.3,38 -9.85,38 ; 0,40.3 0,47.75 0,40.3 ; 40,40.3 40,47.75 40,40.3
  text "40" at 17.422,46.266 h2.03
  text "40" at 17.422,46.266 h2.03
  text "0.2X45" at -21.604,43.266 h2.03
  text "0.2X45" at -21.604,43.266 h2.03
  text "0.2X45" at 50.396,43.266 h2.03
  text "0.2X45" at 50.396,43.266 h2.03
  text "38" at -8.366,18.372 h2.03 r90
  text "38" at -8.366,18.372 h2.03 r90
  text "0.2X45" at -26.854,-1.984 h2.03
  text "0.2X45" at -26.854,-1.984 h2.03
  text "0.2X45" at 47.146,-1.984 h2.03
  text "0.2X45" at 47.146,-1.984 h2.03
TEXTE_IN2:
  text "CUIVRE INTERNE C03/C06" at 2.637,-38.82 h2
  text "CUIVRE INTERNE C03/C06" at 2.637,-38.82 h2
TEXTE_IN1:
  text "CUIVRE INTERNE C02/C06" at 2.637,-38.82 h2
  text "CUIVRE INTERNE C02/C06" at 2.637,-38.82 h2
TEXTE_IN3:
  text "CUIVRE INTERNE C04/C06" at 2.637,-38.82 h2
  text "CUIVRE INTERNE C04/C06" at 2.637,-38.82 h2
TEXTE_IN4:
  text "CUIVRE INTERNE C05/C06" at 2.637,-38.82 h2
  text "CUIVRE INTERNE C05/C06" at 2.637,-38.82 h2
TEXTE_TOP:
  text "CUIVRE ELEMENTS C01/C06" at 1.837,-38.82 h2
  text "CUIVRE ELEMENTS C01/C06" at 1.837,-38.82 h2
TEXTE_BOTTOM:
  text "CUIVRE SOUDURE C06/C06" at 2.637,-38.82 h2
  text "CUIVRE SOUDURE C06/C06" at 2.637,-38.82 h2
TEXTE_SILKSCREEN_TOP:
  text "SERIGRAPHIE ELEMENTS" at 4.237,-38.82 h2
  text "SERIGRAPHIE ELEMENTS" at 4.237,-38.82 h2
TEXTE_SOLDERMASK_TOP:
  text "VERNIS ELEMENTS" at 8.237,-38.82 h2
  text "VERNIS ELEMENTS" at 8.237,-38.82 h2
TEXTE_SILKSCREEN_BOTTOM:
  text "SERIGRAPHIE SOUDURE" at 5.037,-38.82 h2
  text "SERIGRAPHIE SOUDURE" at 5.037,-38.82 h2
TEXTE_SOLDERMASK_BOTTOM:
  text "VERNIS SOUDURE" at 9.037,-38.82 h2
  text "VERNIS SOUDURE" at 9.037,-38.82 h2
TEXTE_PASTEMASK_TOP:
  text "PATE A BRASER ELEMENT" at 3.437,-38.82 h2
  text "PATE A BRASER ELEMENT" at 3.437,-38.82 h2
TEXTE_PASTEMASK_BOTTOM:
  text "PATE A BRASER SOUDURE" at 3.437,-38.82 h2
  text "PATE A BRASER SOUDURE" at 3.437,-38.82 h2

## Text inside footprints (layer, text, board x,y; h text height)
C1: PIN_NUMBER "1" at 5.395,33.127 h0.64 r180; PIN_NUMBER "2" at 2.724,33.127 h0.64 r180
C2: PIN_NUMBER "1" at 7.858,32.8 h0.64; PIN_NUMBER "2" at 8.15,32.8 h0.64
C3: PIN_NUMBER "1" at 9.355,33.873 h0.64; PIN_NUMBER "2" at 12.026,33.873 h0.64
C4: PIN_NUMBER "1" at 3.105,31.123 h0.64; PIN_NUMBER "2" at 5.776,31.123 h0.64
C5: PIN_NUMBER "1" at 10.142,28.95 h0.64 r180; PIN_NUMBER "2" at 9.85,28.95 h0.64 r180
C6: PIN_NUMBER "1" at 13.892,31.45 h0.64 r180; PIN_NUMBER "2" at 13.6,31.45 h0.64 r180
C7: PIN_NUMBER "2" at 8.3,26.9 h0.64; PIN_NUMBER "1" at 7.15,27.408 h0.64
C8: PIN_NUMBER "1" at 3.105,29.373 h0.64; PIN_NUMBER "2" at 5.776,29.373 h0.64
C9: PIN_NUMBER "2" at 11.95,28.6 h0.64 r180; PIN_NUMBER "1" at 13.1,28.092 h0.64 r180
C10: PIN_NUMBER "2" at 19.55,22.9 h0.64; PIN_NUMBER "1" at 18.4,23.408 h0.64
C11: PIN_NUMBER "2" at 19.6,4.55 h0.64 r90; PIN_NUMBER "1" at 19.092,3.4 h0.64 r90
C12: PIN_NUMBER "2" at 17.1,15.55 h0.64 r90; PIN_NUMBER "1" at 16.592,14.4 h0.64 r90
C13: PIN_NUMBER "2" at 25.55,23.9 h0.64; PIN_NUMBER "1" at 24.4,24.408 h0.64
C14: PIN_NUMBER "1" at 15.608,22.55 h0.64; PIN_NUMBER "2" at 15.9,22.55 h0.64
C15: PIN_NUMBER "2" at 29.95,7.1 h0.64 r180; PIN_NUMBER "1" at 31.1,6.592 h0.64 r180
C16: PIN_NUMBER "2" at 19.55,23.9 h0.64; PIN_NUMBER "1" at 18.4,24.408 h0.64
C17: PIN_NUMBER "2" at 18.05,23.9 h0.64; PIN_NUMBER "1" at 16.9,24.408 h0.64
C18: PIN_NUMBER "2" at 14.9,19.55 h0.64 r270; PIN_NUMBER "1" at 15.408,20.7 h0.64 r270
C19: PIN_NUMBER "2" at 18.6,4.55 h0.64 r90; PIN_NUMBER "1" at 18.092,3.4 h0.64 r90
C20: PIN_NUMBER "2" at 18.8,4.15 h0.64; PIN_NUMBER "1" at 17.65,4.658 h0.64
C21: PIN_NUMBER "2" at 29.95,8.1 h0.64 r180; PIN_NUMBER "1" at 31.1,7.592 h0.64 r180
C22: PIN_NUMBER "2" at 18.05,22.9 h0.64; PIN_NUMBER "1" at 16.9,23.408 h0.64
C23: PIN_NUMBER "2" at 15.9,19.55 h0.64 r270; PIN_NUMBER "1" at 16.408,20.7 h0.64 r270
C24: PIN_NUMBER "2" at 18.8,5.15 h0.64; PIN_NUMBER "1" at 17.65,5.658 h0.64
C25: PIN_NUMBER "1" at 15.608,23.8 h0.64; PIN_NUMBER "2" at 15.9,23.8 h0.64
C26: PIN_NUMBER "2" at 32.35,4.8 h0.64 r90; PIN_NUMBER "1" at 31.842,3.65 h0.64 r90
C27: PIN_NUMBER "2" at 36.35,9.9 h0.64 r90; PIN_NUMBER "1" at 35.842,8.75 h0.64 r90
C28: PIN_NUMBER "2" at 21.05,22.9 h0.64; PIN_NUMBER "1" at 19.9,23.408 h0.64
C29: PIN_NUMBER "2" at 22.55,23.9 h0.64; PIN_NUMBER "1" at 21.4,24.408 h0.64
C30: PIN_NUMBER "2" at 24.05,23.9 h0.64; PIN_NUMBER "1" at 22.9,24.408 h0.64
C31: PIN_NUMBER "2" at 31.35,4.8 h0.64 r90; PIN_NUMBER "1" at 30.842,3.65 h0.64 r90
C32: PIN_NUMBER "2" at 35.35,9.9 h0.64 r90; PIN_NUMBER "1" at 34.842,8.75 h0.64 r90
C33: PIN_NUMBER "2" at 18.1,15.55 h0.64 r90; PIN_NUMBER "1" at 17.592,14.4 h0.64 r90
C34: PIN_NUMBER "2" at 21.05,23.9 h0.64; PIN_NUMBER "1" at 19.9,24.408 h0.64
C35: PIN_NUMBER "2" at 22.55,22.9 h0.64; PIN_NUMBER "1" at 21.4,23.408 h0.64
C36: PIN_NUMBER "2" at 24.05,22.9 h0.64; PIN_NUMBER "1" at 22.9,23.408 h0.64
C37: PIN_NUMBER "2" at 25.55,22.9 h0.64; PIN_NUMBER "1" at 24.4,23.408 h0.64
C38: PIN_NUMBER "1" at 13.7,21.958 h0.64 r90; PIN_NUMBER "2" at 13.7,22.25 h0.64 r90
C39: PIN_NUMBER "2" at 30.1,4.8 h0.64 r90; PIN_NUMBER "1" at 29.592,3.65 h0.64 r90
C40: PIN_NUMBER "2" at 17.3,15.15 h0.64; PIN_NUMBER "1" at 16.15,15.658 h0.64
C41: PIN_NUMBER "2" at 15.9,16.95 h0.64 r270; PIN_NUMBER "1" at 16.408,18.1 h0.64 r270
C42: PIN_NUMBER "2" at 25.85,25.1 h0.64 r180; PIN_NUMBER "1" at 27,24.592 h0.64 r180
C43: PIN_NUMBER "2" at 32.85,7.3 h0.64 r90; PIN_NUMBER "1" at 32.342,6.15 h0.64 r90
C44: PIN_NUMBER "2" at 33.85,7.3 h0.64 r90; PIN_NUMBER "1" at 33.342,6.15 h0.64 r90
C45: PIN_NUMBER "2" at 15.9,21.2 h0.64 r270; PIN_NUMBER "1" at 16.408,22.35 h0.64 r270
C46: PIN_NUMBER "2" at 14.9,21.2 h0.64 r270; PIN_NUMBER "1" at 15.408,22.35 h0.64 r270
C47: PIN_NUMBER "2" at 23.8,5.9 h0.64; PIN_NUMBER "1" at 22.65,6.408 h0.64
C48: PIN_NUMBER "1" at 3.55,15.742 h0.64 r270; PIN_NUMBER "2" at 3.55,15.45 h0.64 r270
C49: PIN_NUMBER "2" at 17.3,10.15 h0.64; PIN_NUMBER "1" at 16.15,10.658 h0.64
C50: PIN_NUMBER "1" at 4.8,15.742 h0.64 r270; PIN_NUMBER "2" at 4.8,15.45 h0.64 r270
C51: PIN_NUMBER "2" at 15.9,12.95 h0.64 r270; PIN_NUMBER "1" at 16.408,14.1 h0.64 r270
C52: PIN_NUMBER "2" at 21.2,5.85 h0.64 r180; PIN_NUMBER "1" at 22.35,5.342 h0.64 r180
C53: PIN_NUMBER "1" at 14.8,3.992 h0.64 r270; PIN_NUMBER "2" at 14.8,3.7 h0.64 r270
C54: PIN_NUMBER "2" at 22.7,5.35 h0.64 r180; PIN_NUMBER "1" at 23.85,4.842 h0.64 r180
C55: PIN_NUMBER "2" at 17.3,17.65 h0.64; PIN_NUMBER "1" at 16.15,18.158 h0.64
C56: PIN_NUMBER "2" at 26.6,4.8 h0.64 r90; PIN_NUMBER "1" at 26.092,3.65 h0.64 r90
C57: PIN_NUMBER "2" at 35.85,6.8 h0.64 r90; PIN_NUMBER "1" at 35.342,5.65 h0.64 r90
C58: PIN_NUMBER "2" at 20.5,7.3 h0.64 r90; PIN_NUMBER "1" at 19.992,6.15 h0.64 r90
C59: PIN_NUMBER "1" at 7.8,15.742 h0.64 r270; PIN_NUMBER "2" at 7.8,15.45 h0.64 r270
C60: PIN_NUMBER "2" at 13.4,12.95 h0.64 r270; PIN_NUMBER "1" at 13.908,14.1 h0.64 r270
C61: PIN_NUMBER "2" at 30.1,7.05 h0.64 r90; PIN_NUMBER "1" at 29.592,5.9 h0.64 r90
C62: PIN_NUMBER "2" at 26.45,5.85 h0.64 r180; PIN_NUMBER "1" at 27.6,5.342 h0.64 r180
C63: PIN_NUMBER "2" at 22.3,5.9 h0.64; PIN_NUMBER "1" at 21.15,6.408 h0.64
C64: PIN_NUMBER "2" at 13.7,5.7 h0.64 r270; PIN_NUMBER "1" at 14.208,6.85 h0.64 r270
C65: PIN_NUMBER "2" at 15.9,8.4 h0.64 r90; PIN_NUMBER "1" at 15.392,7.25 h0.64 r90
C66: PIN_NUMBER "1" at 26.85,24.392 h0.64 r270; PIN_NUMBER "2" at 26.85,24.1 h0.64 r270
C67: PIN_NUMBER "2" at 28.8,26.1 h0.64 r180; PIN_NUMBER "1" at 29.95,25.592 h0.64 r180
C68: PIN_NUMBER "2" at 30.3,26.1 h0.64 r180; PIN_NUMBER "1" at 31.45,25.592 h0.64 r180
C69: PIN_NUMBER "2" at 3.2,26.6 h0.64 r180; PIN_NUMBER "1" at 4.35,26.092 h0.64 r180
C70: PIN_NUMBER "1" at 31.15,24.642 h0.64 r270; PIN_NUMBER "2" at 31.15,24.35 h0.64 r270
C71: PIN_NUMBER "1" at 35.642,11.95 h0.64 r180; PIN_NUMBER "2" at 35.35,11.95 h0.64 r180
C72: PIN_NUMBER "2" at 32.5,23.95 h0.64 r270; PIN_NUMBER "1" at 33.008,25.1 h0.64 r270
C73: PIN_NUMBER "2" at 33.6,23.95 h0.64 r270; PIN_NUMBER "1" at 34.108,25.1 h0.64 r270
C74: PIN_NUMBER "2" at 34.7,23.95 h0.64 r270; PIN_NUMBER "1" at 35.208,25.1 h0.64 r270
C75: PIN_NUMBER "2" at 34.2,20.6 h0.64 r180; PIN_NUMBER "1" at 35.35,20.092 h0.64 r180
C76: PIN_NUMBER "2" at 34.2,22.1 h0.64 r180; PIN_NUMBER "1" at 35.35,21.592 h0.64 r180
C77: PIN_NUMBER "2" at 34.2,19.1 h0.64 r180; PIN_NUMBER "1" at 35.35,18.592 h0.64 r180
C78: PIN_NUMBER "2" at 35.95,18.6 h0.64 r180; PIN_NUMBER "1" at 37.1,18.092 h0.64 r180
C79: PIN_NUMBER "2" at 34.2,17.6 h0.64 r180; PIN_NUMBER "1" at 35.35,17.092 h0.64 r180
C80: PIN_NUMBER "2" at 35.95,16.85 h0.64 r180; PIN_NUMBER "1" at 37.1,16.342 h0.64 r180
C81: PIN_NUMBER "1" at 35.642,23.45 h0.64 r180; PIN_NUMBER "2" at 35.35,23.45 h0.64 r180
C82: PIN_NUMBER "1" at 35.642,9.1 h0.64 r180; PIN_NUMBER "2" at 35.35,9.1 h0.64 r180
C83: PIN_NUMBER "2" at 34.2,16.1 h0.64 r180; PIN_NUMBER "1" at 35.35,15.592 h0.64 r180
C84: PIN_NUMBER "2" at 35.95,15.35 h0.64 r180; PIN_NUMBER "1" at 37.1,14.842 h0.64 r180
C85: PIN_NUMBER "2" at 34.2,14.6 h0.64 r180; PIN_NUMBER "1" at 35.35,14.092 h0.64 r180
C86: PIN_NUMBER "2" at 35.95,13.85 h0.64 r180; PIN_NUMBER "1" at 37.1,13.342 h0.64 r180
C87: PIN_NUMBER "2" at 35.95,22.1 h0.64 r180; PIN_NUMBER "1" at 37.1,21.592 h0.64 r180
C88: PIN_NUMBER "2" at 34.2,13.1 h0.64 r180; PIN_NUMBER "1" at 35.35,12.592 h0.64 r180
C89: PIN_NUMBER "2" at 36.8,25.9 h0.64; PIN_NUMBER "1" at 35.65,26.408 h0.64
C90: PIN_NUMBER "2" at 23.65,26.95 h0.64 r270; PIN_NUMBER "1" at 24.158,28.1 h0.64 r270
C91: PIN_NUMBER "1" at 7.2,12.358 h0.64 r90; PIN_NUMBER "2" at 7.2,12.65 h0.64 r90
C92: PIN_NUMBER "2" at 6.15,11.7 h0.64 r270; PIN_NUMBER "1" at 6.658,12.85 h0.64 r270
C93: PIN_NUMBER "1" at 3.858,7.8 h0.64; PIN_NUMBER "2" at 4.15,7.8 h0.64
C94: PIN_NUMBER "2" at 4.55,8.9 h0.64; PIN_NUMBER "1" at 3.4,9.408 h0.64
C95: PIN_NUMBER "2" at 9.85,5.05 h0.64 r90; PIN_NUMBER "1" at 9.342,3.9 h0.64 r90
C96: PIN_NUMBER "1" at 12.142,8.45 h0.64 r180; PIN_NUMBER "2" at 11.85,8.45 h0.64 r180
C97: PIN_NUMBER "2" at 11.7,7.35 h0.64 r180; PIN_NUMBER "1" at 12.85,6.842 h0.64 r180
C98: PIN_NUMBER "2" at 4.15,3.45 h0.64 r270; PIN_NUMBER "1" at 4.658,4.6 h0.64 r270
L1: PIN_NUMBER "2" at 17.471,34.003 h0.5 r90; PIN_NUMBER "1" at 17.471,31.814 h0.5 r90
L2: PIN_NUMBER "1" at 27.508,26.1 h0.64 r180; PIN_NUMBER "2" at 25.85,26.1 h0.64 r180
L3: PIN_NUMBER "1" at 34.85,5.642 h0.64 r90; PIN_NUMBER "2" at 34.85,7.3 h0.64 r90
L4: PIN_NUMBER "1" at 14.65,18.608 h0.64 r270; PIN_NUMBER "2" at 14.65,16.95 h0.64 r270
L5: PIN_NUMBER "1" at 22.142,4.9 h0.64; PIN_NUMBER "2" at 23.8,4.9 h0.64
L6: PIN_NUMBER "1" at 13.9,22.858 h0.64 r270; PIN_NUMBER "2" at 13.9,21.2 h0.64 r270
L7: PIN_NUMBER "1" at 3.123,16.995 h0.64 r270; PIN_NUMBER "2" at 3.123,14.324 h0.64 r270
L8: PIN_NUMBER "1" at 14.65,14.608 h0.64 r270; PIN_NUMBER "2" at 14.65,12.95 h0.64 r270
L9: PIN_NUMBER "1" at 19.142,3.65 h0.64; PIN_NUMBER "2" at 20.8,3.65 h0.64
L10: PIN_NUMBER "1" at 12.605,3.473 h0.64; PIN_NUMBER "2" at 15.276,3.473 h0.64
L11: PIN_NUMBER "1" at 7.373,16.995 h0.64 r270; PIN_NUMBER "2" at 7.373,14.324 h0.64 r270
L12: PIN_NUMBER "1" at 4.895,11.377 h0.64 r180; PIN_NUMBER "2" at 2.224,11.377 h0.64 r180
MS1: PIN_NUMBER "17" at 28.662,36.762 h0.64; PIN_NUMBER "18" at 22.762,36.712 h0.64; PIN_NUMBER "19" at 16.912,36.712 h0.64; PIN_NUMBER "20" at 10.762,36.512 h0.64; PIN_NUMBER "16" at 38.701,34.903 h0.64 r90; PIN_NUMBER "1" at -0.151,34.077 h0.64 r270; PIN_NUMBER "15" at 38.807,27.923 h0.64 r90; PIN_NUMBER "2" at -0.6,27.957 h0.64 r270; PIN_NUMBER "14" at 38.807,21.923 h0.64 r90; PIN_NUMBER "3" at -0.6,21.957 h0.64 r270; PIN_NUMBER "13" at 38.807,15.923 h0.64 r90; PIN_NUMBER "4" at -0.6,15.957 h0.64 r270; PIN_NUMBER "12" at 38.807,9.923 h0.64 r90; PIN_NUMBER "5" at -0.6,9.957 h0.64 r270; PIN_NUMBER "11" at 35.519,0.893 h0.64; PIN_NUMBER "10" at 27.912,0.733 h0.64; PIN_NUMBER "9" at 22.52,0.683 h0.64; PIN_NUMBER "8" at 16.67,0.683 h0.64; PIN_NUMBER "7" at 10.52,0.483 h0.64; PIN_NUMBER "6" at -0.55,3.797 h0.64 r270
Q1: PIN_NUMBER "2" at 35.217,4.653 h0.5 r90; PIN_NUMBER "6" at 32.617,4.353 h0.5 r90; PIN_NUMBER "5" at 32.617,4.703 h0.5 r90; PIN_NUMBER "3" at 35.217,5.003 h0.5 r90; PIN_NUMBER "1" at 35.217,4.303 h0.5 r90; PIN_NUMBER "4" at 32.617,5.053 h0.5 r90
R1: PIN_NUMBER "1" at 11.4,27.892 h0.64; PIN_NUMBER "2" at 12.55,28.4 h0.64
R2: PIN_NUMBER "1" at 34.142,4.85 h0.64 r270; PIN_NUMBER "2" at 34.65,3.7 h0.64 r270
R3: PIN_NUMBER "1" at 13.1,30.108 h0.64 r180; PIN_NUMBER "2" at 11.95,29.6 h0.64 r180
R4: PIN_NUMBER "1" at 30.642,4.85 h0.64 r270; PIN_NUMBER "2" at 31.15,3.7 h0.64 r270
R5: PIN_NUMBER "1" at 16.108,16.9 h0.64 r90; PIN_NUMBER "2" at 15.6,18.05 h0.64 r90
R6: PIN_NUMBER "1" at 1.642,18.7 h0.64 r270; PIN_NUMBER "2" at 2.15,17.55 h0.64 r270
R7: PIN_NUMBER "1" at 20.85,5.358 h0.64 r180; PIN_NUMBER "2" at 19.7,4.85 h0.64 r180
R8: PIN_NUMBER "1" at 14.35,6.558 h0.64 r180; PIN_NUMBER "2" at 13.2,6.05 h0.64 r180
R9: PIN_NUMBER "1" at 5.892,18.7 h0.64 r270; PIN_NUMBER "2" at 6.4,17.55 h0.64 r270
R10: PIN_NUMBER "1" at 25.858,3.65 h0.64 r90; PIN_NUMBER "2" at 25.35,4.8 h0.64 r90
R11: PIN_NUMBER "1" at 16.15,8.542 h0.64; PIN_NUMBER "2" at 17.3,9.05 h0.64